# Altium PCB VALVEBOARD_Kun.PcbDoc (part 6 of 13)
Units mil, origin at the board's own origin, x right, y up, seen from the top; angles counter-clockwise.
Board outline 10923.41 x 5583.88 mil, 2 copper layers (Top Layer, Bottom Layer), stack 10.8 mil thick; 1127 components, 626 nets, 3503 pads, 1418 vias.
Unrouted connection lines stored in the file: 1.
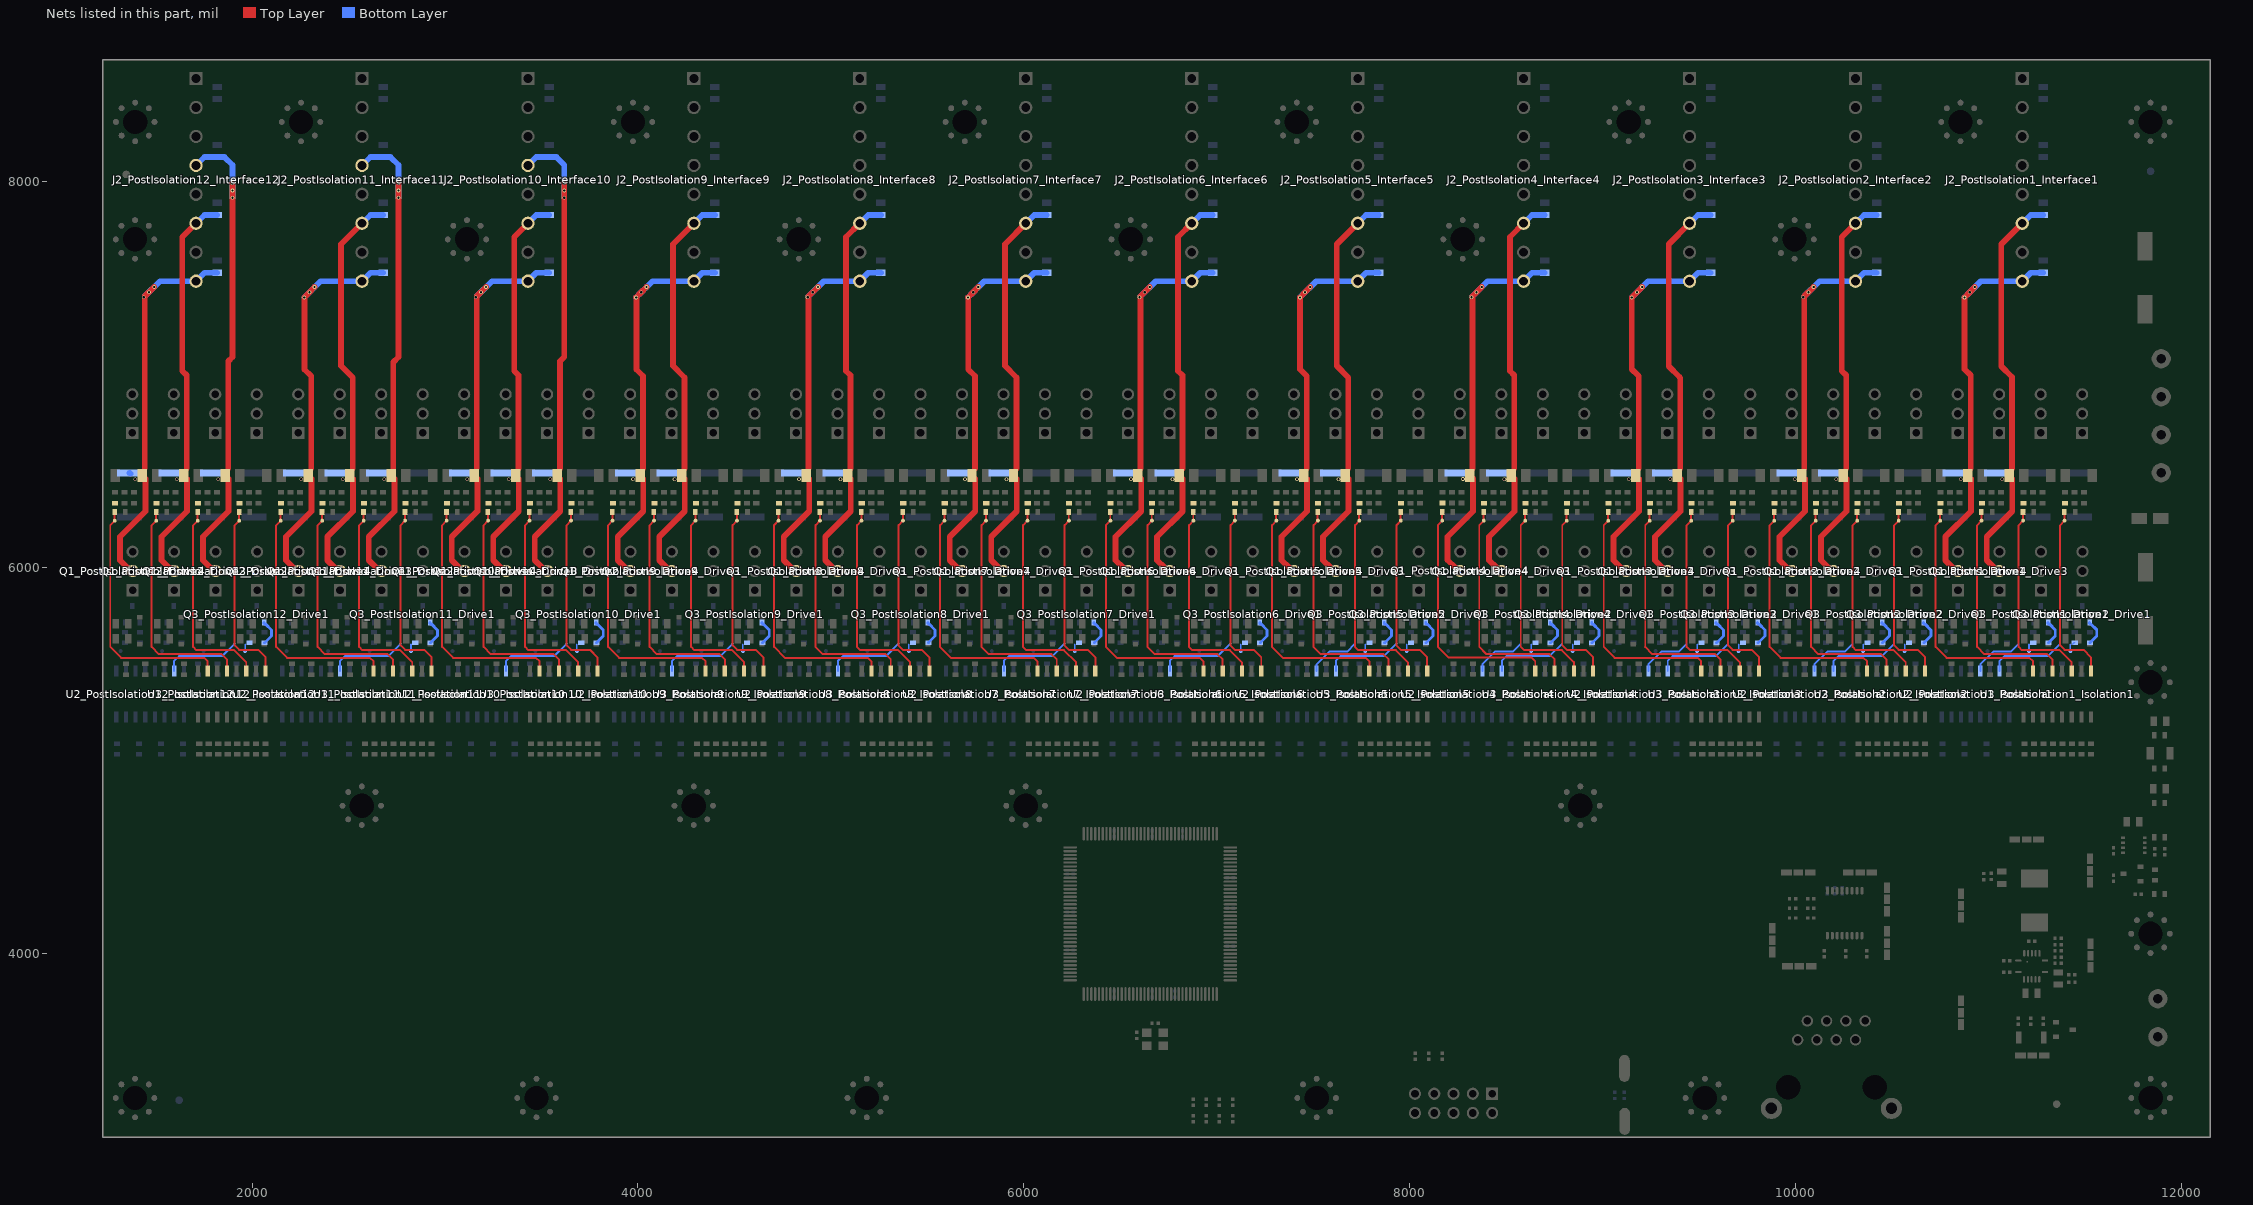
[diagram p6: the nets of this part, all layers, seen from the top]

## Via types
v1: diameter 19.68, hole 11.81, Top Layer to Bottom Layer, tented both sides, 1364 vias
v2: diameter 19.68, hole 11.81, Top Layer to Bottom Layer, 54 vias

## Nets (pads, with @x,y where several pads share a name; then routed paths per layer and width w, separated by ;. In a path a pad name is that pad's centre, name@x,y a point inside that pad or via, vN(x,y) a via of type N, cw(c..) or ccw(c..) an arc to the next point about the centre after c; other vN are vias at no path point) (continued)
DUO2_PostIsolation10: C24_PostIsolation10_Interface10.1 D6_PostIsolation10_Drive2.1 J2_PostIsolation10_Interface10.4 Q1_PostIsolation10_Drive2.2 R23_PostIsolation10_Drive2.1 | length 2479.4
  Top Layer w30: Q1_PostIsolation10_Drive2.2@3531.05,5982.05 3522.12,5982.05 3505.63,5998.55 3505.05,5998.55 3465.33,6038.26 3465.33,6159.31 3597.68,6291.66 D6_PostIsolation10_Drive2.1@3597.68,6460.45 ; 3596.41,6512.93 3596.41,7069.25 3618.47,7091.31 ; 3596.41,7069.38 3618.47,7091.44 v1(3618.47,7916.06) v1(3618.47,7953.95) v1(3618.47,7991.83)
  Bottom Layer w30: J2_PostIsolation10_Interface10.4@3429.78,8084.2 3473.36,8127.78 C24_PostIsolation10_Interface10.1@3538.99,8127.78 3539.74,8127.03 3577.91,8127.03 3618.47,8086.47 v1(3618.47,7991.83) v1(3618.47,7953.95) v1(3618.47,7916.06)
  other v1: 3545,6457.97
DUO2_PostIsolation11: C24_PostIsolation11_Interface11.1 D6_PostIsolation11_Drive2.1 J2_PostIsolation11_Interface11.4 Q1_PostIsolation11_Drive2.2 R23_PostIsolation11_Drive2.1 | length 2449.9
  Top Layer w30: Q1_PostIsolation11_Drive2.2@2670.99,5982.05 2662.06,5982.05 2645.57,5998.55 2644.99,5998.55 2605.27,6038.26 2605.27,6159.31 2737.62,6291.66 D6_PostIsolation11_Drive2.1@2737.62,6460.45 ; 2732.23,6513.06 2732.23,7064.44 2758.41,7090.62 v1(2758.41,7953.95) v1(2758.41,7991.83)
  Bottom Layer w30: J2_PostIsolation11_Interface11.4@2569.72,8084.2 2613.3,8127.78 C24_PostIsolation11_Interface11.1@2678.93,8127.78 2679.68,8127.04 2717.85,8127.04 2758.41,8086.47 v1(2758.41,7991.83) v1(2758.41,7953.95) v1(2758.41,7916.07)
  other v1: 2684.94,6457.97
DUO2_PostIsolation12: C24_PostIsolation12_Interface12.1 D6_PostIsolation12_Drive2.1 J2_PostIsolation12_Interface12.4 Q1_PostIsolation12_Drive2.2 R23_PostIsolation12_Drive2.1 | length 2479.4
  Top Layer w30: Q1_PostIsolation12_Drive2.2@1810.93,5982.05 1802,5982.05 1785.51,5998.55 1784.93,5998.55 1745.21,6038.26 1745.21,6159.31 1877.56,6291.66 D6_PostIsolation12_Drive2.1@1877.56,6460.45 ; 1876.29,6512.93 1876.29,7069.25 1898.35,7091.31 ; 1876.29,7069.38 1898.35,7091.44 v1(1898.35,7916.07) v1(1898.35,7953.95) v1(1898.35,7991.83)
  Bottom Layer w30: J2_PostIsolation12_Interface12.4@1709.65,8084.2 1753.24,8127.78 C24_PostIsolation12_Interface12.1@1818.87,8127.78 1819.62,8127.04 1857.79,8127.04 1898.35,8086.47 v1(1898.35,7991.83) v1(1898.35,7953.95) v1(1898.35,7916.07)
  other v1: 1824.88,6457.97
DUO3_PostIsolation1: C25_PostIsolation1_Interface1.1 D6_PostIsolation1_Drive3.1 J2_PostIsolation1_Interface1.6 Q1_PostIsolation1_Drive3.2 R23_PostIsolation1_Drive3.1 | length 2032.3
  Top Layer w30: Q1_PostIsolation1_Drive3.2@11056.45,5982.05 11047.53,5982.05 11031.03,5998.55 11030.45,5998.55 10990.73,6038.26 10990.73,6159.31 11123.08,6291.66 D6_PostIsolation1_Drive3.1@11123.08,6460.45 ; 11121.81,6513.06 11121.81,6987.29 11066.1,7043 11066.1,7675.79 J2_PostIsolation1_Interface1.6@11174.44,7784.14
  Bottom Layer w30: J2_PostIsolation1_Interface1.6@11174.44,7784.14 11218.03,7827.72 C25_PostIsolation1_Interface1.1@11283.66,7827.72
  other v1: 11070.4,6457.97
DUO3_PostIsolation2: C25_PostIsolation2_Interface2.1 D6_PostIsolation2_Drive3.1 J2_PostIsolation2_Interface2.6 Q1_PostIsolation2_Drive3.2 R23_PostIsolation2_Drive3.1 | length 2003.3
  Top Layer w30: Q1_PostIsolation2_Drive3.2@10196.52,5982.05 10187.6,5982.05 10171.1,5998.55 10170.52,5998.55 10130.8,6038.26 10130.8,6159.31 10263.15,6291.66 D6_PostIsolation2_Drive3.1@10263.15,6460.45 ; 10261.88,6513.06 10261.88,6996.18 10239.1,7018.96 10239.1,7713.04 J2_PostIsolation2_Interface2.6@10310.26,7784.2
  Bottom Layer w30: J2_PostIsolation2_Interface2.6@10310.26,7784.2 10353.84,7827.78 C25_PostIsolation2_Interface2.1@10419.48,7827.78
  other v1: 10210.47,6457.97
DUO3_PostIsolation3: C25_PostIsolation3_Interface3.1 D6_PostIsolation3_Drive3.1 J2_PostIsolation3_Interface3.6 Q1_PostIsolation3_Drive3.2 R23_PostIsolation3_Drive3.1 | length 2028.1
  Top Layer w30: Q1_PostIsolation3_Drive3.2@9336.46,5982.05 9327.53,5982.05 9311.04,5998.55 9310.46,5998.55 9270.74,6038.26 9270.74,6159.31 9403.09,6291.66 D6_PostIsolation3_Drive3.1@9403.09,6460.45 ; 9397.57,6987.29 9341.85,7043 9341.85,7675.79 J2_PostIsolation3_Interface3.6@9450.2,7784.14 ; 9401.82,6513.06 9401.82,6983.04
  Bottom Layer w30: J2_PostIsolation3_Interface3.6@9450.2,7784.14 9493.78,7827.72 C25_PostIsolation3_Interface3.1@9559.42,7827.72
  other v1: 9350.41,6457.97
DUO3_PostIsolation4: C25_PostIsolation4_Interface4.1 D6_PostIsolation4_Drive3.1 J2_PostIsolation4_Interface4.6 Q1_PostIsolation4_Drive3.2 R23_PostIsolation4_Drive3.1 | length 2003.3
  Top Layer w30: Q1_PostIsolation4_Drive3.2@8476.4,5982.05 8467.47,5982.05 8450.98,5998.55 8450.4,5998.55 8410.68,6038.26 8410.68,6159.31 8543.03,6291.66 D6_PostIsolation4_Drive3.1@8543.03,6460.45 ; 8541.76,6513.06 8541.76,6996.18 8518.98,7018.96 8518.98,7713.04 J2_PostIsolation4_Interface4.6@8590.14,7784.2
  Bottom Layer w30: J2_PostIsolation4_Interface4.6@8590.14,7784.2 8633.72,7827.78 C25_PostIsolation4_Interface4.1@8699.35,7827.78
  other v1: 8490.35,6457.97
DUO3_PostIsolation5: C25_PostIsolation5_Interface5.1 D6_PostIsolation5_Drive3.1 J2_PostIsolation5_Interface5.6 Q1_PostIsolation5_Drive3.2 R23_PostIsolation5_Drive3.1 | length 2034.1
  Top Layer w30: Q1_PostIsolation5_Drive3.2@7616.34,5982.05 7607.41,5982.05 7590.92,5998.55 7590.34,5998.55 7550.62,6038.26 7550.62,6159.31 7682.97,6291.66 D6_PostIsolation5_Drive3.1@7682.97,6460.45 ; 7681.7,6513.06 7681.7,6985.58 7621.73,7045.55 7621.73,7675.85 J2_PostIsolation5_Interface5.6@7730.08,7784.2
  Bottom Layer w30: J2_PostIsolation5_Interface5.6@7730.08,7784.2 7773.66,7827.78 C25_PostIsolation5_Interface5.1@7839.29,7827.78
  other v1: 7630.29,6457.97
DUO3_PostIsolation6: C25_PostIsolation6_Interface6.1 D6_PostIsolation6_Drive3.1 J2_PostIsolation6_Interface6.6 Q1_PostIsolation6_Drive3.2 R23_PostIsolation6_Drive3.1 | length 2003.3
  Top Layer w30: Q1_PostIsolation6_Drive3.2@6756.28,5982.05 6747.35,5982.05 6730.86,5998.55 6730.28,5998.55 6690.56,6038.26 6690.56,6159.31 6822.91,6291.66 D6_PostIsolation6_Drive3.1@6822.91,6460.45 ; 6821.64,6513.06 6821.64,6996.18 6798.86,7018.96 6798.86,7713.04 J2_PostIsolation6_Interface6.6@6870.02,7784.2
  Bottom Layer w30: J2_PostIsolation6_Interface6.6@6870.02,7784.2 6913.6,7827.78 C25_PostIsolation6_Interface6.1@6979.23,7827.78
  other v1: 6770.23,6457.97
DUO3_PostIsolation7: C25_PostIsolation7_Interface7.1 D6_PostIsolation7_Drive3.1 J2_PostIsolation7_Interface7.6 Q1_PostIsolation7_Drive3.2 R23_PostIsolation7_Drive3.1 | length 2034.1
  Top Layer w30: Q1_PostIsolation7_Drive3.2@5896.22,5982.05 5887.29,5982.05 5870.8,5998.55 5870.21,5998.55 5830.5,6038.26 5830.5,6159.31 5962.85,6291.66 D6_PostIsolation7_Drive3.1@5962.85,6460.45 ; 5961.58,6513.06 5961.58,6985.58 5901.61,7045.55 5901.61,7675.85 J2_PostIsolation7_Interface7.6@6009.96,7784.2
  Bottom Layer w30: J2_PostIsolation7_Interface7.6@6009.96,7784.2 6053.54,7827.78 C25_PostIsolation7_Interface7.1@6119.17,7827.78
  other v1: 5910.16,6457.97
DUO3_PostIsolation8: C25_PostIsolation8_Interface8.1 D6_PostIsolation8_Drive3.1 J2_PostIsolation8_Interface8.6 Q1_PostIsolation8_Drive3.2 R23_PostIsolation8_Drive3.1 | length 2003.3
  Top Layer w30: Q1_PostIsolation8_Drive3.2@5036.16,5982.05 5027.23,5982.05 5010.73,5998.55 5010.15,5998.55 4970.44,6038.26 4970.44,6159.31 5102.79,6291.66 D6_PostIsolation8_Drive3.1@5102.79,6460.45 ; 5101.52,6513.06 5101.52,6996.18 5078.73,7018.96 5078.73,7713.04 J2_PostIsolation8_Interface8.6@5149.9,7784.2
  Bottom Layer w30: J2_PostIsolation8_Interface8.6@5149.9,7784.2 5193.48,7827.78 C25_PostIsolation8_Interface8.1@5259.11,7827.78
  other v1: 5050.1,6457.97
DUO3_PostIsolation9: C25_PostIsolation9_Interface9.1 D6_PostIsolation9_Drive3.1 J2_PostIsolation9_Interface9.6 Q1_PostIsolation9_Drive3.2 R23_PostIsolation9_Drive3.1 | length 2034.1
  Top Layer w30: Q1_PostIsolation9_Drive3.2@4176.1,5982.05 4167.17,5982.05 4150.67,5998.55 4150.09,5998.55 4110.38,6038.26 4110.38,6159.31 4242.73,6291.66 D6_PostIsolation9_Drive3.1@4242.73,6460.45 ; 4241.46,6513.06 4241.46,6985.58 4181.49,7045.55 4181.49,7675.85 J2_PostIsolation9_Interface9.6@4289.84,7784.2
  Bottom Layer w30: J2_PostIsolation9_Interface9.6@4289.84,7784.2 4333.42,7827.78 C25_PostIsolation9_Interface9.1@4399.05,7827.78
  other v1: 4190.04,6457.97
DUO3_PostIsolation10: C25_PostIsolation10_Interface10.1 D6_PostIsolation10_Drive3.1 J2_PostIsolation10_Interface10.6 Q1_PostIsolation10_Drive3.2 R23_PostIsolation10_Drive3.1 | length 2003.3
  Top Layer w30: Q1_PostIsolation10_Drive3.2@3316.04,5982.05 3307.11,5982.05 3290.61,5998.55 3290.03,5998.55 3250.32,6038.26 3250.32,6159.31 3382.67,6291.66 D6_PostIsolation10_Drive3.1@3382.67,6460.45 ; 3381.4,6513.06 3381.4,6996.18 3358.61,7018.96 3358.61,7713.04 J2_PostIsolation10_Interface10.6@3429.78,7784.2
  Bottom Layer w30: J2_PostIsolation10_Interface10.6@3429.78,7784.2 3473.36,7827.78 C25_PostIsolation10_Interface10.1@3538.99,7827.78
  other v1: 3329.98,6457.97
DUO3_PostIsolation11: C25_PostIsolation11_Interface11.1 D6_PostIsolation11_Drive3.1 J2_PostIsolation11_Interface11.6 Q1_PostIsolation11_Drive3.2 R23_PostIsolation11_Drive3.1 | length 2034.1
  Top Layer w30: Q1_PostIsolation11_Drive3.2@2455.98,5982.05 2447.05,5982.05 2430.55,5998.55 2429.97,5998.55 2390.25,6038.26 2390.25,6159.31 2522.6,6291.66 D6_PostIsolation11_Drive3.1@2522.6,6460.45 ; 2521.34,6513.06 2521.34,6985.58 2461.37,7045.55 2461.37,7675.85 J2_PostIsolation11_Interface11.6@2569.72,7784.2
  Bottom Layer w30: J2_PostIsolation11_Interface11.6@2569.72,7784.2 2613.3,7827.78 C25_PostIsolation11_Interface11.1@2678.93,7827.78
  other v1: 2469.92,6457.97
DUO3_PostIsolation12: C25_PostIsolation12_Interface12.1 D6_PostIsolation12_Drive3.1 J2_PostIsolation12_Interface12.6 Q1_PostIsolation12_Drive3.2 R23_PostIsolation12_Drive3.1 | length 2003.3
  Top Layer w30: Q1_PostIsolation12_Drive3.2@1595.92,5982.05 1586.99,5982.05 1570.49,5998.55 1569.91,5998.55 1530.19,6038.26 1530.19,6159.31 1662.54,6291.66 D6_PostIsolation12_Drive3.1@1662.54,6460.45 ; 1661.27,6513.06 1661.27,6996.18 ; 1661.28,6996.18 1638.49,7018.96 1638.49,7713.04 J2_PostIsolation12_Interface12.6@1709.65,7784.2
  Bottom Layer w30: J2_PostIsolation12_Interface12.6@1709.65,7784.2 1753.24,7827.78 C25_PostIsolation12_Interface12.1@1818.87,7827.78
  other v1: 1609.86,6457.97
DUO4_PostIsolation1: C26_PostIsolation1_Interface1.1 D6_PostIsolation1_Drive4.1 J2_PostIsolation1_Interface1.8 Q1_PostIsolation1_Drive4.2 R23_PostIsolation1_Drive4.1 | length 2079.6
  Top Layer w30: Q1_PostIsolation1_Drive4.2@10841.68,5982.05 10832.75,5982.05 10816.25,5998.55 10815.67,5998.55 10775.95,6038.26 10775.95,6159.31 10908.3,6291.66 D6_PostIsolation1_Drive4.1@10908.3,6460.45 ; 10907.04,6513.06 10907.04,6996.18 10875.08,7028.13 v1(10875.08,7400.02) v1(10901.87,7426.8) v1(10928.66,7453.59)
  Bottom Layer w30: v1@10874.85,7399.54 10959.44,7484.14 J2_PostIsolation1_Interface1.8@11174.44,7484.14 11218.03,7527.72 C26_PostIsolation1_Interface1.1@11283.66,7527.72 ; v1(10875.08,7400.02) v1(10901.87,7426.8) v1(10928.66,7453.59)
  other v1: 10855.62,6457.97
DUO4_PostIsolation2: C26_PostIsolation2_Interface2.1 D6_PostIsolation2_Drive4.1 J2_PostIsolation2_Interface2.8 Q1_PostIsolation2_Drive4.2 R23_PostIsolation2_Drive4.1 | length 1952.2
  Top Layer w30: Q1_PostIsolation2_Drive4.2@9981.51,5982.05 9972.58,5982.05 9956.08,5998.55 9955.5,5998.55 9915.79,6038.26 9915.79,6159.31 10048.14,6291.66 D6_PostIsolation2_Drive4.1@10048.14,6460.45 ; 10044.88,6513.06 10044.88,7405.67 v1(10093.24,7454.04)
  Bottom Layer w30: v1@10044.88,7405.67 10123.41,7484.2 J2_PostIsolation2_Interface2.8@10310.26,7484.2 10353.84,7527.78 C26_PostIsolation2_Interface2.1@10419.48,7527.78
  other v1: 9995.45,6457.97 10039.67,7400.46 10066.46,7427.25
DUO4_PostIsolation3: C26_PostIsolation3_Interface3.1 D6_PostIsolation3_Drive4.1 J2_PostIsolation3_Interface3.8 Q1_PostIsolation3_Drive4.2 R23_PostIsolation3_Drive4.1 | length 2075.6
  Top Layer w30: Q1_PostIsolation3_Drive4.2@9121.45,5982.05 9112.52,5982.05 9096.02,5998.55 9095.44,5998.55 9055.73,6038.26 9055.73,6159.31 9188.08,6291.66 D6_PostIsolation3_Drive4.1@9188.08,6460.45 ; 9182.79,6996.18 9150.84,7028.13 v1(9150.84,7400.02) v1(9177.63,7426.8) v1(9204.41,7453.59) ; 9186.81,6513.06 9186.81,6992.17
  Bottom Layer w30: v1@9150.61,7399.54 9235.2,7484.14 J2_PostIsolation3_Interface3.8@9450.2,7484.14 9493.78,7527.72 C26_PostIsolation3_Interface3.1@9559.42,7527.72 ; v1(9150.84,7400.02) v1(9177.63,7426.8) v1(9204.41,7453.59)
  other v1: 9135.39,6457.97
DUO4_PostIsolation4: C26_PostIsolation4_Interface4.1 D6_PostIsolation4_Drive4.1 J2_PostIsolation4_Interface4.8 Q1_PostIsolation4_Drive4.2 R23_PostIsolation4_Drive4.1 | length 1952.2
  Top Layer w30: Q1_PostIsolation4_Drive4.2@8261.39,5982.5 8252.46,5982.5 8235.96,5998.99 8235.38,5998.99 8195.66,6038.71 8195.66,6159.76 8328.02,6292.11 D6_PostIsolation4_Drive4.1@8328.02,6460.89 ; 8324.76,6513.06 8324.76,7405.67 v1(8373.12,7454.04)
  Bottom Layer w30: v1@8324.76,7405.67 8403.28,7484.2 J2_PostIsolation4_Interface4.8@8590.14,7484.2 8633.72,7527.78 C26_PostIsolation4_Interface4.1@8699.35,7527.78
  other v1: 8275.33,6458.42 8319.55,7400.46 8346.33,7427.25
DUO4_PostIsolation5: C26_PostIsolation5_Interface5.1 D6_PostIsolation5_Drive4.1 J2_PostIsolation5_Interface5.8 Q1_PostIsolation5_Drive4.2 R23_PostIsolation5_Drive4.1 | length 2081.4
  Top Layer w30: Q1_PostIsolation5_Drive4.2@7401.33,5982.05 7392.4,5982.05 7375.9,5998.55 7375.32,5998.55 7335.6,6038.26 7335.6,6159.31 7467.95,6291.66 D6_PostIsolation5_Drive4.1@7467.95,6460.45 ; 7466.68,6513.06 7466.68,6992.23 7430.72,7028.19 v1(7430.72,7400.08) v1(7457.5,7426.87) v1(7484.29,7453.65)
  Bottom Layer w30: v1@7430.48,7399.61 7515.08,7484.2 J2_PostIsolation5_Interface5.8@7730.08,7484.2 7773.66,7527.78 C26_PostIsolation5_Interface5.1@7839.29,7527.78 ; v1(7430.72,7400.08) v1(7457.5,7426.87) v1(7484.29,7453.65)
  other v1: 7415.27,6457.97
DUO4_PostIsolation6: C26_PostIsolation6_Interface6.1 D6_PostIsolation6_Drive4.1 J2_PostIsolation6_Interface6.8 Q1_PostIsolation6_Drive4.2 R23_PostIsolation6_Drive4.1 | length 1952.2
  Top Layer w30: Q1_PostIsolation6_Drive4.2@6541.26,5982.05 6532.34,5982.05 6515.84,5998.55 6515.26,5998.55 6475.54,6038.26 6475.54,6159.31 6607.89,6291.66 D6_PostIsolation6_Drive4.1@6607.89,6460.45 ; 6604.64,6513.06 6604.64,7405.67 v1(6653,7454.04)
  Bottom Layer w30: v1@6604.64,7405.67 6683.16,7484.2 J2_PostIsolation6_Interface6.8@6870.02,7484.2 6913.6,7527.78 C26_PostIsolation6_Interface6.1@6979.23,7527.78
  other v1: 6555.21,6457.97 6599.43,7400.46 6626.21,7427.25
DUO4_PostIsolation7: C26_PostIsolation7_Interface7.1 D6_PostIsolation7_Drive4.1 J2_PostIsolation7_Interface7.8 Q1_PostIsolation7_Drive4.2 R23_PostIsolation7_Drive4.1 | length 2081.5
  Top Layer w30: Q1_PostIsolation7_Drive4.2@5681.2,5982.05 5672.28,5982.05 5655.78,5998.55 5655.2,5998.55 5615.48,6038.26 5615.48,6159.31 5747.83,6291.66 D6_PostIsolation7_Drive4.1@5747.83,6460.45 ; v1(5710.6,7400.08) v1(5737.38,7426.87) v1(5764.17,7453.65) ; v1@5712.25,7400.91 5712.25,7026.54 5746.56,6992.23 5746.56,6513.06
  Bottom Layer w30: v1@5710.36,7399.61 5794.96,7484.2 J2_PostIsolation7_Interface7.8@6009.96,7484.2 6053.54,7527.78 C26_PostIsolation7_Interface7.1@6119.17,7527.78 ; v1(5710.6,7400.08) v1(5737.38,7426.87) v1(5764.17,7453.65)
  other v1: 5695.15,6457.97
DUO4_PostIsolation8: C26_PostIsolation8_Interface8.1 D6_PostIsolation8_Drive4.1 J2_PostIsolation8_Interface8.8 Q1_PostIsolation8_Drive4.2 R23_PostIsolation8_Drive4.1 | length 1952.2
  Top Layer w30: Q1_PostIsolation8_Drive4.2@4821.14,5982.05 4812.22,5982.05 4795.72,5998.55 4795.14,5998.55 4755.42,6038.26 4755.42,6159.31 4887.77,6291.66 D6_PostIsolation8_Drive4.1@4887.77,6460.45 ; 4884.52,6513.06 4884.52,7405.67 v1(4932.88,7454.04)
  Bottom Layer w30: v1@4884.52,7405.67 4963.04,7484.2 J2_PostIsolation8_Interface8.8@5149.9,7484.2 5193.48,7527.78 C26_PostIsolation8_Interface8.1@5259.11,7527.78
  other v1: 4835.09,6457.97 4879.31,7400.46 4906.09,7427.25
DUO4_PostIsolation9: C26_PostIsolation9_Interface9.1 D6_PostIsolation9_Drive4.1 J2_PostIsolation9_Interface9.8 Q1_PostIsolation9_Drive4.2 R23_PostIsolation9_Drive4.1 | length 2081.5
  Top Layer w30: Q1_PostIsolation9_Drive4.2@3961.08,5982.05 3952.15,5982.05 3935.66,5998.55 3935.08,5998.55 3895.36,6038.26 3895.36,6159.31 4027.71,6291.66 D6_PostIsolation9_Drive4.1@4027.71,6460.45 ; v1(3990.48,7400.08) v1(4017.26,7426.87) v1(4044.05,7453.65) ; v1@3992.13,7400.91 3992.13,7026.54 4026.44,6992.22 4026.44,6513.06
  Bottom Layer w30: v1@3990.24,7399.61 4074.84,7484.2 J2_PostIsolation9_Interface9.8@4289.84,7484.2 4333.42,7527.78 C26_PostIsolation9_Interface9.1@4399.05,7527.78 ; v1(3990.48,7400.08) v1(4017.26,7426.87) v1(4044.05,7453.65)
  other v1: 3975.03,6457.97
DUO4_PostIsolation10: C26_PostIsolation10_Interface10.1 D6_PostIsolation10_Drive4.1 J2_PostIsolation10_Interface10.8 Q1_PostIsolation10_Drive4.2 R23_PostIsolation10_Drive4.1 | length 1952.2
  Top Layer w30: Q1_PostIsolation10_Drive4.2@3101.02,5982.05 3092.09,5982.05 3075.6,5998.55 3075.02,5998.55 3035.3,6038.26 3035.3,6159.31 3167.65,6291.66 D6_PostIsolation10_Drive4.1@3167.65,6460.45 ; 3164.39,6513.06 3164.39,7405.67 v1(3212.76,7454.04)
  Bottom Layer w30: v1@3164.39,7405.67 3242.92,7484.2 J2_PostIsolation10_Interface10.8@3429.78,7484.2 3473.36,7527.78 C26_PostIsolation10_Interface10.1@3538.99,7527.78
  other v1: 3114.97,6457.97 3159.18,7400.46 3185.97,7427.25
DUO4_PostIsolation11: C26_PostIsolation11_Interface11.1 D6_PostIsolation11_Drive4.1 J2_PostIsolation11_Interface11.8 Q1_PostIsolation11_Drive4.2 R23_PostIsolation11_Drive4.1 | length 2081.5
  Top Layer w30: Q1_PostIsolation11_Drive4.2@2240.96,5982.05 2232.03,5982.05 2215.54,5998.55 2214.96,5998.55 2175.24,6038.26 2175.24,6159.31 2307.59,6291.66 D6_PostIsolation11_Drive4.1@2307.59,6460.45 ; v1(2270.35,7400.08) v1(2297.14,7426.87) v1(2323.93,7453.65) ; v1@2272.01,7400.91 2272.01,7026.54 2306.32,6992.23 2306.32,6513.06
  Bottom Layer w30: v1@2270.12,7399.61 2354.72,7484.2 J2_PostIsolation11_Interface11.8@2569.72,7484.2 2613.3,7527.78 C26_PostIsolation11_Interface11.1@2678.93,7527.78 ; v1(2270.35,7400.08) v1(2297.14,7426.87) v1(2323.93,7453.65)
  other v1: 2254.91,6457.97
DUO4_PostIsolation12: C26_PostIsolation12_Interface12.1 D6_PostIsolation12_Drive4.1 J2_PostIsolation12_Interface12.8 Q1_PostIsolation12_Drive4.2 R23_PostIsolation12_Drive4.1 | length 1957.9
  Top Layer w30: Q1_PostIsolation12_Drive4.2@1380.9,5982.05 1371.97,5982.05 1355.48,5998.55 1354.9,5998.55 1315.18,6038.26 1315.18,6159.31 1447.53,6291.66 D6_PostIsolation12_Drive4.1@1447.53,6460.45 ; 1444.27,6513.06 1444.27,7405.68 v1(1492.64,7454.04)
  Bottom Layer w30: R23_PostIsolation12_Drive4.1@1365.41,6490.05 1365.83,6490.05 R23_PostIsolation12_Drive4.1@1369.53,6486.35 ; v1@1444.27,7405.68 1522.8,7484.2 J2_PostIsolation12_Interface12.8@1709.65,7484.2 1753.24,7527.78 C26_PostIsolation12_Interface12.1@1818.87,7527.78
  other v1: 1394.85,6457.97 1439.06,7400.47 1465.85,7427.25
ILO1_PostIsolation1: pad.@11394.08,6243.25 R24_PostIsolation1_Drive1.1 R25_PostIsolation1_Drive1.1 U3_PostIsolation1_Isolation1.9 | length 958.6
  Top Layer w10: R25_PostIsolation1_Drive1.1@11393.19,6288.09 11393.19,6241.97 11371.55,6220.33 11370.55,6219.32 11370.55,5596.48 11394.02,5573 11492,5573 11530.68,5534.32 U3_PostIsolation1_Isolation1.9@11530.68,5462.63
ILO1_PostIsolation2: pad.@10534.03,6243.12 R24_PostIsolation2_Drive1.1 R25_PostIsolation2_Drive1.1 U3_PostIsolation2_Isolation2.9 | length 957
  Top Layer w10: 10510.42,5596.5 10533.9,5573.02 10631.88,5573.02 10670.56,5534.34 U3_PostIsolation2_Isolation2.9@10670.56,5462.65 ; 10510.49,5596.5 10510.49,6219.2 ; 10511.5,6220.2 10533.14,6241.84 R25_PostIsolation2_Drive1.1@10533.14,6287.97
ILO1_PostIsolation3: pad.@9673.96,6243.12 R24_PostIsolation3_Drive1.1 R25_PostIsolation3_Drive1.1 U3_PostIsolation3_Isolation3.9 | length 957
  Top Layer w10: 9650.36,5596.5 9673.84,5573.02 9771.81,5573.02 9810.5,5534.34 U3_PostIsolation3_Isolation3.9@9810.5,5462.65 ; 9650.43,5596.5 9650.43,6219.2 ; 9651.43,6220.2 9673.08,6241.84 R25_PostIsolation3_Drive1.1@9673.08,6287.97